# Altium PCB mb1260.PcbDoc (part 2 of 7)
Units mil, origin at the board's own origin, x right, y up, seen from the top; angles counter-clockwise.
Board outline 3189.01 x 3818.89 mil, 6 copper layers (TOP, L2_GND, L3_VCC, L4_SIG, L5_GND, BOTTOM), stack 62.2 mil thick; 308 components, 287 nets, 1220 pads, 851 vias.
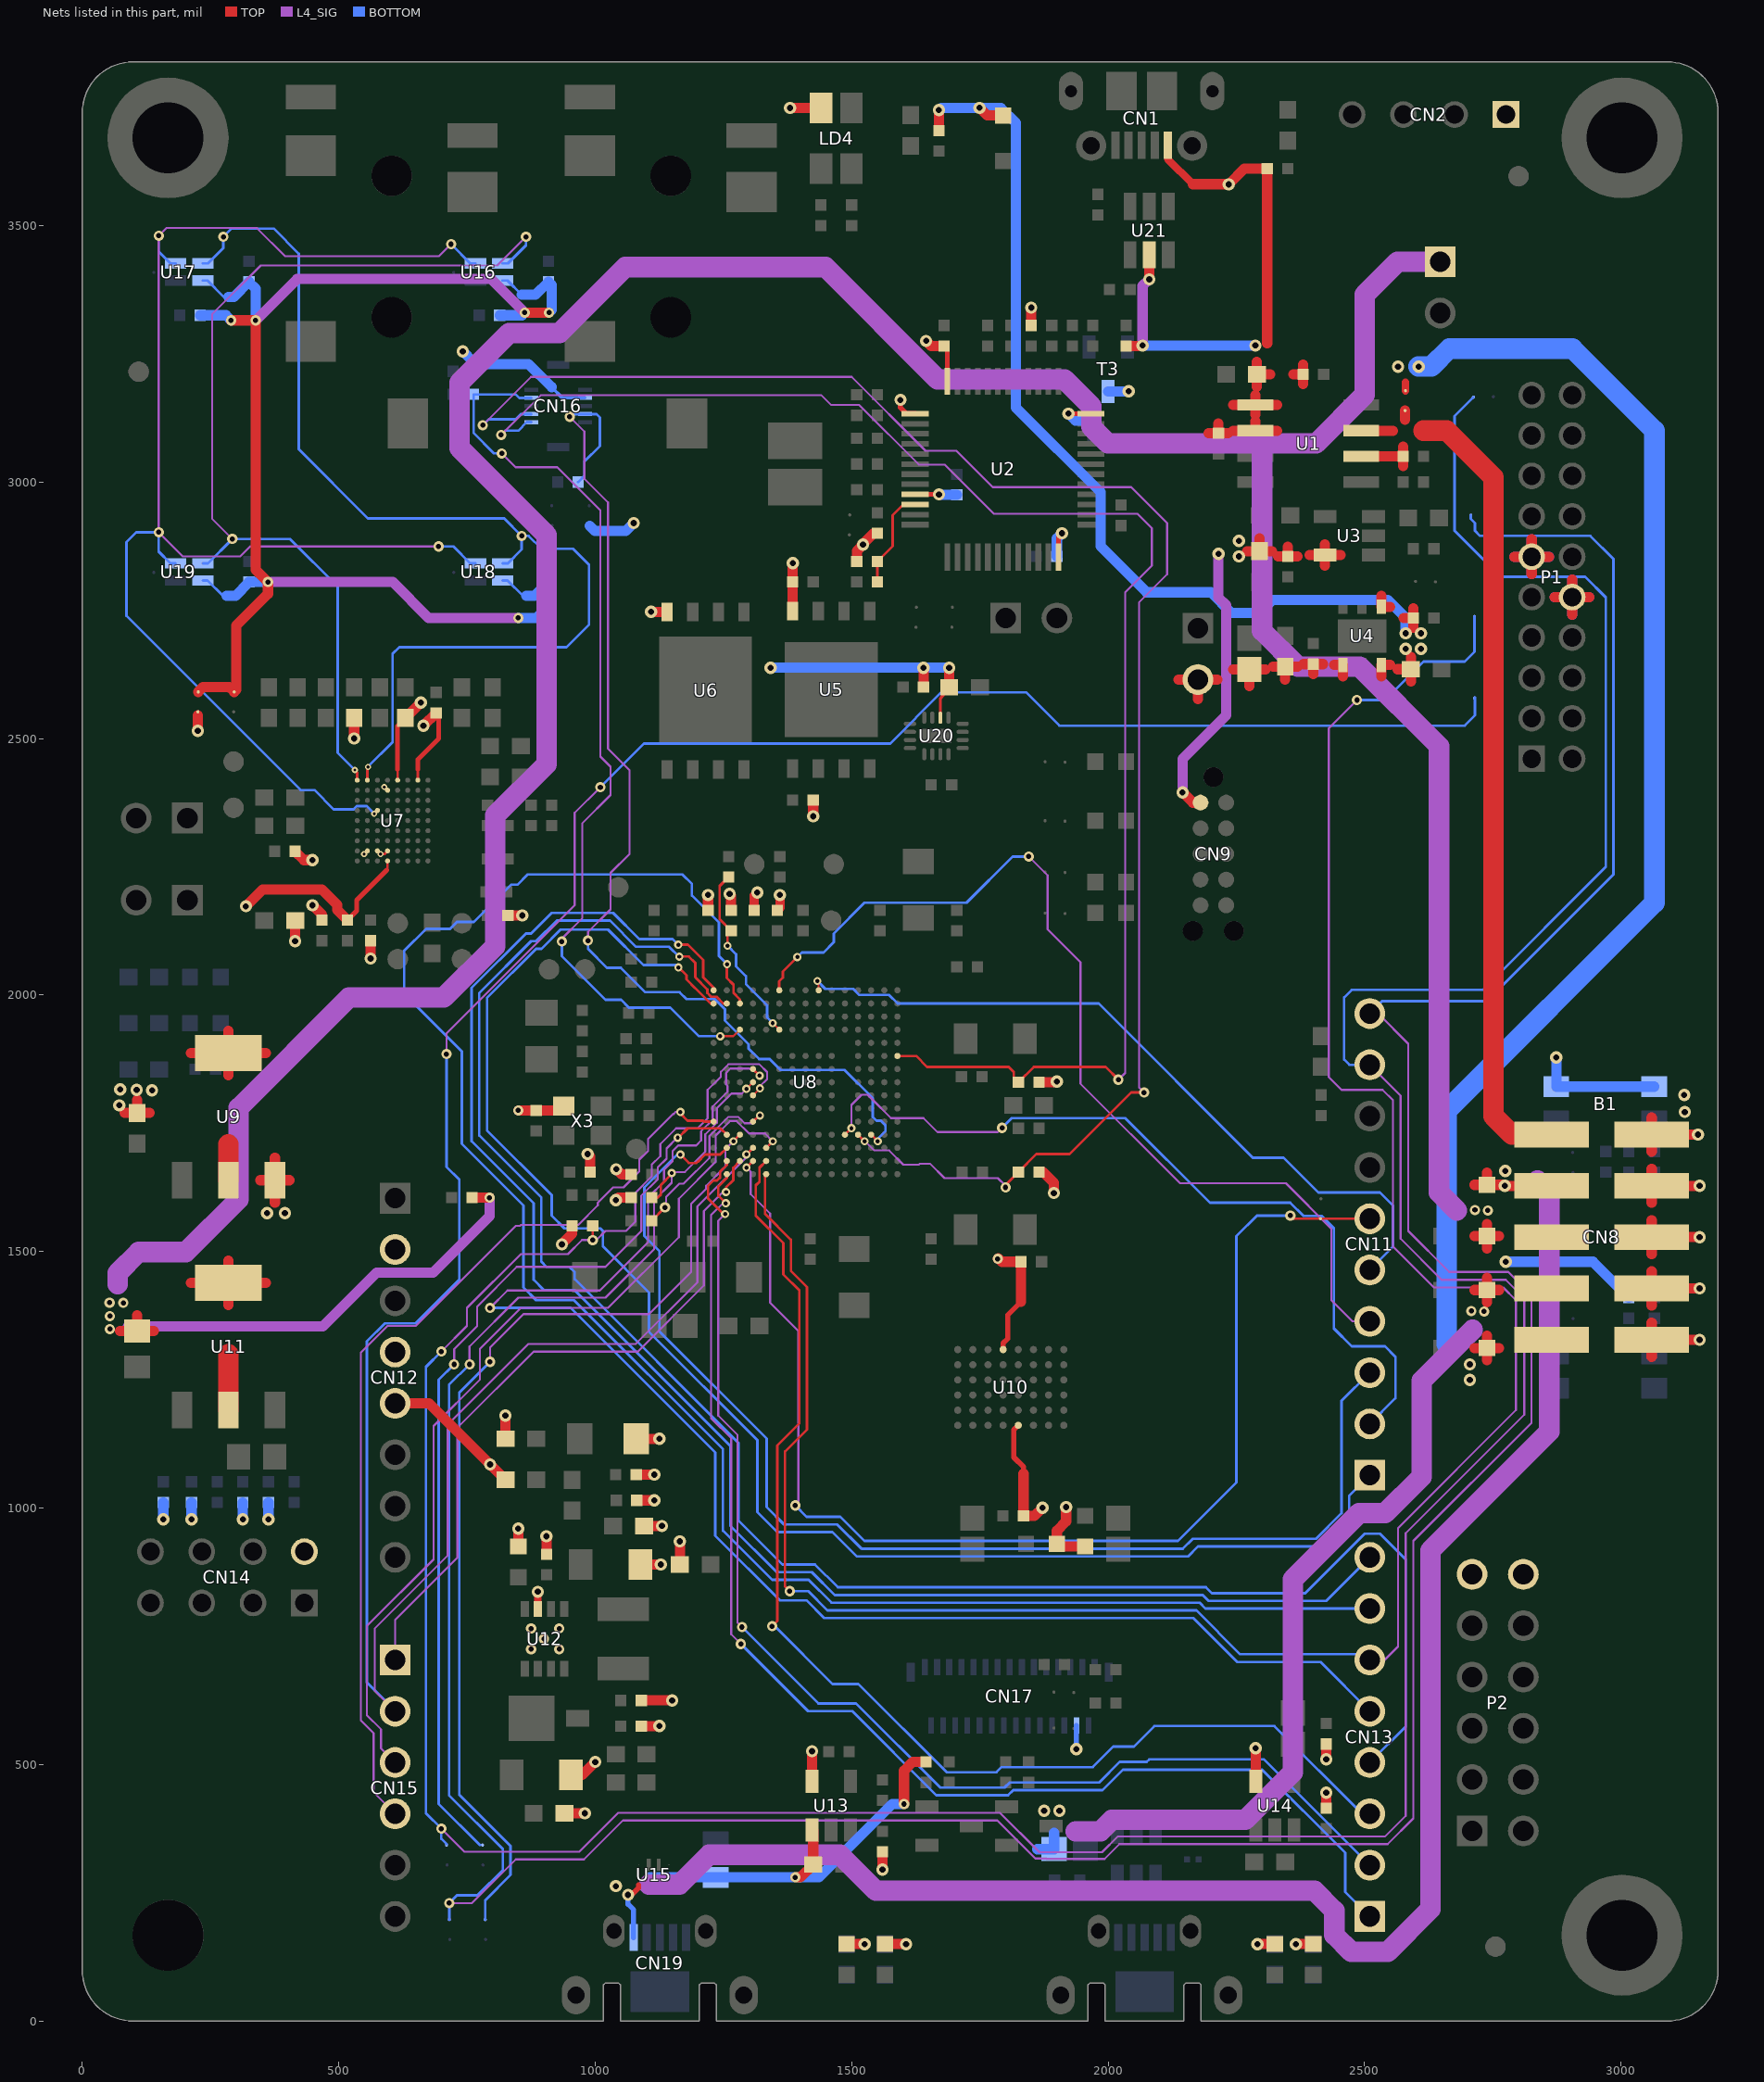
[diagram p6: the nets of this part, all layers, seen from the top]

## Footprints (in the part's own frame and the unit in brackets; to place one, negate y for a bottom-side part, rotate by r counter-clockwise, add the part's x,y. Pads: shape width x height; smd on the part's side, far side on the other; paste and mask are expansions set on the pad) (continued)
SQT-110-01-F-D-RA [mil] "SQT-110-01-F-D-RA"
  rect 52x52 hole 36: 1(-354.33,-39.37)
  round 52 hole 36: 2(-275.59,-39.37) 3(-196.85,-39.37) 4(-118.11,-39.37) 5(-39.37,-39.37) 6(39.37,-39.37) 7(118.11,-39.37) 8(196.85,-39.37) 9(275.59,-39.37) 10(354.33,-39.37) 11(-354.33,39.37) 12(-275.59,39.37) 13(-196.85,39.37) 14(-118.11,39.37) 15(-39.37,39.37) 16(39.37,39.37) 17(118.11,39.37) 18(196.85,39.37) 19(275.59,39.37) 20(354.33,39.37)
  silkscreen extent -400,-51 400,339, body extent -398,-69 407,341, height 150
SSW-106-02-F-D-RA [mil] "SSW-106-02-F-D-RA"
  rect 60x60 hole 40: 1(0,0)
  round 60 hole 40: 2(100,0) 3(200,0) 4(300,0) 5(400,0) 6(500,0) 7(0,100) 8(100,100) 9(200,100) 10(300,100) 11(400,100) 12(500,100)
  silkscreen extent -70,-13 560,495, body extent -60,-35 560,494, height 150
TACT_4SM_3R5X5R5 [mil] "TACT_4SM_3R5X5R5"
  rect 40x50 smd: 1(-33.46,95.47) 2(33.46,95.47) 3(-33.46,-95.47) 4(33.46,-95.47)
  silkscreen extent -69,-93 69,156, body extent -70,-125 70,125, height 150
TAN-A [mil] "TAN-A"
  rect 50x60 smd: 1(55,0) 2(-55,0)
  silkscreen extent -95,-45 110,45
TC2050-IDC-NL [mil] "TC2050-IDC-NL"
  round 31 smd paste-50: 1(-100,-25) 2(-50,-25) 3(0,-25) 4(50,-25) 5(100,-25) 6(100,25) 7(50,25) 8(0,25) 9(-50,25) 10(-100,25)
  round 39 hole 39: " "(-150,0) " "(150,-39.96) " "(150,39.96)
  TOP pour cut-out: -100,22.4 -100,-10.6 -89.5,-21.1 -15,-21.1 -6.9,-13 5.2,-13 13.3,-21.1 87.4,-21.1 100,-8.5 100,22.4 -100,22.4
  Keep-Out Layer circle w1: c-150,0 r35.43
  Keep-Out Layer circle w1: c150,39.96 r35.43
  Keep-Out Layer circle w1: c150,-39.96 r35.43
  silkscreen extent -245,-133 245,133, body extent -245,-133 245,133, height 150
TP_C40 [mil] "TP_C40"
  round 40 smd paste-50: 1(0,0)
  silkscreen extent -29,-29 29,29, body extent -31,-31 31,31, height 150
TSM-105-01-S-DV [mil] "TSM-105-01-S-DV"
  rect 50x145 smd: 1(-200,-97.44) 2(-200,97.44) 3(-100,-97.44) 4(-100,97.44) 5(0,-97.44) 6(0,97.44) 7(100,-97.44) 8(100,97.44) 9(200,-97.44) 10(200,97.44)
  silkscreen extent -250,-211 250,100, body extent -250,-175 250,175, height 150
XTAL_2SM_3R2X1R5 [mil] "XTAL_2SM_3R2X1R5"
  rect 51x63 smd: 1(-45.28,0) 2(45.28,0)
  silkscreen extent -85,-45 85,45, body extent -71,-30 72,32, height 150
XTAL_2SM_3R2X2R5_H1 [mil] "XTAL_2SM_3R2X2R5_H1"
  rect 71x106 smd: 1(-45.28,0) 2(45.28,0)
  silkscreen extent -95,-65 95,65, body extent -84,-56 84,56, height 150

## Part data
B1 B2: "EVQP2 - 4.7mm x 3.5 mm SMD Light Touch Switch"
C1 C2 C5 C7 C10 C12 C13 C14 C16 C23 C30 C32 C33 C36 C37 C38 C39 C40 C41 C42 C44 C45 C46 C47 C52 C53 C55 C56 C59 C60 C61 C62 C63 C69 C70 C71 C79 C80 C81 C82 C83 C84 C85 C86 C87 C93: library part Cap_100nF_X7R_10%_0402, "Capacitor,100nF,16V,X7R,10%,0402,YAGEO"
C3 C9 C11 C15 C17 C18 C24 C27 C35 C43 C50 C92: library part Cap_1uF_X5R_10%_0603, "Capacitor,1uF,16V,X5R,10%,0603,YAGEO"
C4 C6: library part Cap_10pF_NPO_5%_0402, "Capacitor,10pF,50V,NPO,5%,0402,YAGEO"
C8 C72 C76: library part Cap_10nF_X7R_10%_0603, "Capacitor,10nF,50V,X7R,10%,0603,YAGEO"
C19 C20 C21 C22 C29 C31 C77 C78: library part Cap_4.7uF_X5R_10%_0603, "Capacitor,4.7uF,16V, X5R,10%,0603,YAGEO"
C25 C26 C28 C54: library part Cap_2.2uF_X5R_10%_0603, "Capacitor,2.2uF,10V, X5R,10%,0603,YAGEO"
C34 C66: library part Cap_4.7uF_POL_10%_TANA, "Polarized Capacitor,4.7uF,16V,10%,typeA,AVX"
C48 C51: library part Cap_4.7pF_NPO_-+0.25pF_0402, "Capacitor, 4.7pF, 50V, NPO, -+0.25pF, 0402, YAGEO"
C49 C58: library part Cap_2.2uF_X7R_10%_1206, "Capacitor,2.2uF,16V, X7R,10%,1206,YAGEO"
C57: library part Cap_10uF_X5R_10%_0603, "Capacitor,10uF,6.3V,X5R,10%,0603,YAGEO"
C64 C65: library part Cap_1uF_POL_10%_TANA, "Polarized Capacitor,1uF,16V,10%,typeA,AVX"
C67: library part Cap_10uF_POL_10%_TANA, "Polarized Capacitor,10uF,10V,10%,typeA,VISHAY"
C68 C74: library part Cap_10uF_X5R_10%_0805, "Capacitor,10uF,25V,X5R,10%,0805,YAGEO"
C73 C75: library part Cap_4.7uF_X7R_10%_1206, "Capacitor,4.7uF,50V, X7R,10%,1206,AVX"
CN1: "USB-MICRO-B, 1050170001, SMT, MOLEX"
CN2: "Header, 4-Pin"
CN3: library part JP2_RA, "Header, 2-Pins, Single row, Right Angle, 2.54 mm pitch, DIP"
CN4: "Connector Jack Stereo 3.5mm, female SMT, Blue (Line input)"
CN5: "Connector Jack Stereo 3.5mm, female SMT, Green (Line output)"
CN8: library part "Header 5X2M TSM", "Header Male TSM, 5-Pin, Dual row, Straight, AMD"
CN9: library part Tag-10-C, "Tag_Connector Header, 10-Pin, Dual row No legs"
CN11: library part "Header 10X1_Female_THT", "Header, 10-Pin, Single row, female, THT, 2.54"
CN12 CN13: library part "Header 8X1_Female_THT", "Header, 8-Pins, Single row, female, THT, 2.54"
CN14: library part "Header 4X2F", "Header Female, 4-Pin, Dual row, Straight"
CN15: library part "Header 6X1_Female_THT", "Header, 6-Pins, Single row, female THT, 2.54"
CN16: library part "Header 5X2A", "Header, 5-Pin, Dual row", Manuf_1=Hirose, ECCN_US/EU=n/a, Fitted=YES, LatestRevisionDate=17-Jul-2002, LatestRevisionNote="Re-released for DXP Platform.", Manuf_Part_1=DF37NB-10DS-0.4V(51), Ordered by=Subcon, Publisher="Altium Limited"
CN17: library part FH26-29S-0.3SHW, "29pins FPC connector", Manuf_1=Hirose, ECCN_US/EU=n/a, Fitted=YES, Manuf_Part_1=FH26W-29S-0.3SHW(60), Ordered by=Subcon
CN18 CN19: "USB-MICRO-AB, 47590-0001, SMT, MOLEX"
L1 L2 L3 L4 L5 L7 L8: library part BEAD_600R_350MA_0603, "Bead,600R,350mA,0603,FCM1608KF-601T03,Tai-tech"
L6: library part Ind_4.7uH_1A_30%, "FIXED IND 4.7UH 1A 180 MOHM 30% SMD"
LD1: library part LED_blue, "LED blue 0603"
LD2 LD3 LD5 LD7 LD10: library part LED_red, "LED red 0603"
LD4: "Bicolor Led"
LD6 LD8 LD9: library part LED_green, "LED green 0603"
P1: library part "Header 10X2 TH RA 2mm", "20 Position Receptacle Connector 0.079\" (2.00mm) Through Hole Right Angle"
P2: library part "Header 6X2 TH RA 2.54mm", "12 Position Receptacle Connector 0.100\" (2.54mm) Through Hole Right Angle"
R1 R2 R58 R92 R97: library part Res_1K_1%_0402, "Resistor,1K,0402,1%,YAGEO"
R3 R9 R15 R18 R21 R24 R67 R68 R69 R70 R71 R75: library part Res_100K_1%_0402, "Resistor,100K,0402,1%,YAGEO"
R4 R42 R44 R52 R56 R59 R60: library part Res_2K7_1%_0402, "Resistor,2K7,0402,1%,YAGEO"
R5 R35 R39 R49 R50 R53 R78 R101: library part Res_0_5%_0402, "Resistor,0,0402,5%,YAGEO"
R6 R25 R26: library part Res_4K7_1%_0402, "Resistor,4K7,0402,1%,YAGEO"
R7 R23 R51: library part Res_100_1%_0402, "Resistor,100,0402,1%,YAGEO"
R8: library part Res_36K_1%_0402, "Resistor,36K,0402,1%,YAGEO"
R10: library part Res_1K5_1%_0402, "Resistor,1K5,0402,1%,YAGEO"
R11 R17 R19 R20 R29 R30 R36 R37 R41 R43 R45 R46 R55 R57 R61 R76 R85 R86 R89 R90 R91 R93 R94 R95 R96 R102: library part Res_10K_1%_0402, "Resistor,10K,0402,1%,YAGEO"
R12: library part Res_680_1%_0402, "Resistor,680,0402,1%,YAGEO"
R13 R14: library part Res_330_1%_0402, "Resistor,330,0402,1%,YAGEO"
R16 R73 R74 R77 R79: library part Res_47K_1%_0402, "Resistor,47K,0402,1%,YAGEO"
R22: library part Res_2K2_1%_0402, "Resistor,2K2,0402,1%,YAGEO"
R27 R62 R64 R65 R72 R99: library part Res_0_5%_0603, "Resistor,0,0603,5%,YAGEO"
R28 R32 R38 R40: library part Res_22_1%_0603, "Resistor,22R,0603,1%,Yageo"
R31 R33: library part Res_20_1%_0402, "Resistor,20,0402,1%,YAGEO"
R47: library part Res_1K_1%_0603, "Resistor,1K,0603,1%,YAGEO"
R48: library part Res_510_1%_0603, "Resistor,510,0603,1%,YAGEO"
R54: library part Res_3K_1%_0402, "Resistor 3K 0402 1% YAGEO"
R63 R100: library part Res_10K_1%_0603, "Resistor,10K,0603,1%,YAGEO"
R66: library part Res_10_1%_0603, "Resistor,10,0603,1%,ROHM,1/4W"
R80: library part Res_3K3_1%_0402, "Resistor,3K3,0402,1%,YAGEO"
R81 R84: library part Res_620_1%_0603, "Resistor,620,0603,1%,VISHAY"
R82 R83: library part Res_330_1%_0603, "Resistor,330,0603,1%,YAGEO"
R98: library part Res_0_5%_0805, "Resistor,0,0805,5%,YAGEO"
SB1 SB4 SB7 SB8 SB9 SB10 SB11 SB12 SB13 SB14 SB15 SB25 SB27 SB28 SB29 SB33 SB34 SB35 SB37: library part SB_ON
SB2 SB3 SB5 SB6 SB16 SB36 SB38: library part SB_OFF
T1 T2 T3: "NPN Bipolar Transistor"
TP1 TP2 TP3 TP4 TP5 TP6 TP7 TP8 TP11 TP12 TP13 TP14 TP15: "Test Point"
U1: "1.2 A current limited high-side power switch with thermal shutdown"
U2: "Medium-density performance line ARM-based 32-bit MCU with 128KB Flash"
U3: "Ultra low drop-low noise BiCMOS voltage, regulators low ESR capacitors compatible"
U4: library part LD39050P, "Ultra low drop-low , 500 mA low quiescent current"
U5: library part MX25L51245G, "512Mb, 3V, Multiple I/O Serial Flash Memory, Quad/Dual"
U6: library part N25Q512A13GF840E, "512Mb, 3V, Multiple I/O Serial Flash Memory, Quad/Dual", Manuf_1=MICRON, Distrib=MICRON, Fitted=NO, Manuf_Part_1=MT25QL512ABB1EW9-0SIT, Ordered by=ST, Provided=ST
U7: "Multi-Channel Audio Hub CODEC for Smartphones"
U8: "STM32F723IEK  (STM32F7 LittleBirdie) BGA176"
U9: "LOW DROP FIXED AND ADJUSTABLE POSITIVE VOLTAGE REGULATORS (1.8 Volts)"
U10: "IC SRAM 8MBIT 55NS 48MINIBGA 6mm x 8mm"
U11: "IC REG LDO 5V 0.8A SOT223"
U12: library part STLD40DPMR, "White LED power supply for large display backlight"
U13 U14: "Enhanced single channel power switches"
U15: "Common mode filter with ESD protection for USB 2.0 interface"
U16 U17 U18 U19: library part MP34DT01, "MEMS audio sensor, omnidirectional digital microphone", Manuf_1=STM, Distrib=ST, Fitted=YES, Manuf_Part_1=IMP34DT05TR, Order=IMP34DT05TR, Ordered by=ST, Provided=ST
U20: "Low voltage high bandwidth quad SPDT switch"
U21 U22: "Very low capacitance ESD protection"
U23: "Dual Transil array for ESD protection"
U24: library part MCD-00251, "High power transient voltage suppressor, 7V breakdown"
X1: library part XTAL_8M_NX3225GD, "Crystal 8Mhz, 8pF, -+50PPM, SMD"
X2: library part XTAL_32K_NX3215SA, "Crystal 32.768kHz, 6pF, -+20PPM, R=50K, SMD"
X3: library part OSC_25M_NZ2520SB, "Oscillator 25.00Mhz, -+50PPM, 3.3V, Temp -55 to +125°C", Manuf_1=NDK, Manuf_Part_1=NZ2520SH-25MHZ-END4869C, Fitted=YES, Ordered by=ST, Provided=ST
Z1: library part "D Schottky", "Schottky Diode"

## Free pads (board coordinates)
  round 40 smd far side mask+40: 1(110,3215) 1(2755,145) 1(2800,3596)
  round 40 smd mask+40: ""(110,3215) ""(2755,145) ""(2800,3596)
  round 138 hole 138 unplated: ""(167.34,167.33)

## Via types
v1: diameter 24, hole 12, TOP to BOTTOM, tented both sides, 389 vias
v2: diameter 20, hole 10, TOP to BOTTOM, tented both sides, 231 vias
v3: diameter 16, hole 8, TOP to BOTTOM, tented both sides, 196 vias
v4: diameter 12, hole 6, TOP to BOTTOM, tented both sides, 35 vias

## Nets (pads, with @x,y where several pads share a name; then routed paths per layer and width w, separated by ;. In a path a pad name is that pad's centre, name@x,y a point inside that pad or via, vN(x,y) a via of type N, cw(c..) or ccw(c..) an arc to the next point about the centre after c; other vN are vias at no path point)
1V8: C20.1 C23.1 C42.1 C57.2 U7.D1 U7.D8 U7.G9 U9.2 U9.4 | length 1001.1
  TOP w5: v4(588.86,2405.36) U7.D8@595.16,2399.06 ; 593.66,2243.59 595.16,2245.09 U7.D1@595.16,2261.26 ; U7.G9@654.21,2418.74 654.21,2439.71
  TOP w9: C42.1@517,2146 535,2164 535,2184.93 593.66,2243.59 ; 654.21,2439.71 654.21,2459.21 695,2500 695,2545 C23.1@690,2550
  TOP w20: 82.78,1770 C57.2@106.8,1770 ; 106.8,1795.52 C57.2@106.8,1770 ; 130.82,1770 C57.2@106.8,1770 ; 211.98,1887.02 U9.4@285,1887.02 ; 285,1843.5 U9.4@285,1887.02 ; 285,1930.54 U9.4@285,1887.02 ; v1(319,2173) 352,2206 467,2206 497,2176 497,2165.99 C42.1@517,2146 ; 358.02,1887.02 U9.4@285,1887.02 ; v1(530,2500) C20.1@530,2540 ; v1(665,2525) C23.1@690,2550
  TOP w40: U9.2@285,1638.98 285,1708.98
  other v1: 72,1785 136,1814 106,1815 74,1816
3V3: B1.1 B1.3 C2.1 C13.2 C15.2 C16.2 C22.1 C33.1 C35.2 C41.1 C55.2 C63.2 C71.2 C92.1 CN12.2 CN12.4 CN14.2 CN16.9 CN17.26 JP1.2 L2.1 P2.6 P2.12 R27.2 R30.2 R41.1 R42.1 R43.1 R44.1 R45.1 R46.2 R52.1 R55.1 R56.2 R57.2 R59.2 R60.2 R63.2 R71.1 R73.2 R79.2 R80.1 R81.1 R82.2 R83.2 R84.2 R91.2 R93.1 R94.1 R95.1 R96.1 R100.2 R102.2 SB1.1 SB4.2 U4.4 U5.8 U6.8 U7.B2 U7.C2 U7.D2 U7.E9 U9.3 U10.D6 U10.E1 U20.2 X3.4 | length 4058
  TOP w5: v4(549.49,2274.64) U7.B2@555.79,2280.94 ; U7.C2@575.47,2280.94 v4(581.77,2274.64) 588.86,2274.64 U7.D2@595.16,2280.94 ; U7.E9@614.84,2418.74 614.84,2439.71
  TOP w6: U20.2@1672.87,2540.62 1672.87,2577.87 C92.1@1690,2600
  TOP w9: 614.84,2439.71 614.84,2524.84 C22.1@630,2540
  TOP w10: U10.E1@1795.24,1308.82 1795.24,1321.24 1804,1330 1804,1376 1830,1402 ; U10.D6@1824.76,1161.18 1816,1152.42 1816,1099 1835,1080 1835,1067
  TOP w18: R44.1@1310,2165 1310,2194 v1(1316,2200) ; R45.1@1355,2165 1360,2170 v1(1360,2195)
  TOP w20: 225,2545 225.33,2544.67 v1(225.33,2515) ; 347.53,1638.98 U9.3@375.55,1638.98 ; 375.55,1595.46 U9.3@375.55,1638.98 ; 375.55,1682.5 U9.3@375.55,1638.98 ; 403.57,1638.98 U9.3@375.55,1638.98 ; v1(415,2105) C35.2@415,2145 ; C33.1@415,2280 432,2263 v1(449,2263) ; v1(449,2175) 467,2157 C41.1@467,2146 ; v1(562,2071) R46.2@562,2106 ; C22.1@630,2540 v1(660,2570) ; L2.1@825,1135 v1(825,1180) ; R41.1@830,2155 v1(858,2155) ; v2(850,1775) C55.2@885,1775 930.04,1775 X3.4@938.58,1783.54 ; v1(935,1514) 935,1515 955,1535 R59.2@955,1550 ; v1(985,1690) 990,1685 R55.1@990,1655 ; v1(1040,1600) 1045,1605 R60.2@1070,1605 ; v1(1040.88,1660.37) 1051.25,1650 R57.2@1070,1650 ; R71.1@1090,575 v1(1125,575) ; v1(1108.84,2746.84) U6.8@1140,2746.84 ; R42.1@1220,2165 v1(1220,2195) ; v1(1262,2197) 1265,2194 R43.1@1265,2165 ; U5.8@1385,2748.54 C13.2@1385,2805 v1(1385,2842) ; v1(1425,2348.46) R30.2@1425,2380 ; R81.1@1490,150 v1(1525,150) ; v1(1560,295) R80.1@1560,330 ; R82.2@1565,150 v1(1606,150) ; R102.2@1640,2600 v1(1640,2638) ; C92.1@1690,2600 v1(1690,2638) ; v2(1784.68,1485.68) 1786,1485.68 1786,1487 1793,1480 C63.2@1830,1480 1830,1402 ; 1835,1067 C71.2@1835,985 1856.5,985 v1(1872,1000.5) ; R56.2@1865,1655 1873,1655 1894,1634 v1(1894,1614) ; R52.1@1865,1830 1898.52,1830 v1(1900,1831.48) ; v1(1918,1002) 1918,974 1900,956 R100.2@1900,930 1905,925 R63.2@1955,925 ; 2136.98,2615 JP1.2@2175,2615 ; 2175,2576.98 JP1.2@2175,2615 ; 2213.02,2615 JP1.2@2175,2615 ; 2243.48,2634.49 R27.2@2275,2634.49 ; 2275,2601.97 R27.2@2275,2634.49 ; v1(2291,150) R83.2@2325,150 ; 2306.52,2634.49 R27.2@2275,2634.49 ; 2320.98,2640 C15.2@2345,2640 ; 2345,2614.48 C15.2@2345,2640 ; v1(2366,150) R84.2@2400,150 ; 2369.02,2640 C15.2@2345,2640 ; 2380.98,2645 C16.2@2400,2645 ; 2400,2625.98 C16.2@2400,2645 ; 2419.02,2645 C16.2@2400,2645 ; R79.2@2425,415 v1(2425,445) ; v1(2425,510) R73.2@2425,540 ; 2440.58,2643.48 U4.4@2457.6,2643.48 2457.6,2621.46
  BOTTOM w6.5: 915,3185 936.09,3163.91 CN16.9@979.91,3163.91
  BOTTOM w10: v1(1938.07,530) CN17.26@1938.07,575.91
  BOTTOM w20: v1(158,978) R96.1@158,1011 ; v1(213,978) R93.1@213,1011 ; v1(313,978) R95.1@313,1011 ; v1(363,978) R94.1@363,1011 ; v1(741.84,3254.76) 762.84,3233.76 C2.1@762.84,3215.76 767.84,3215.76 781.84,3229.76 870.24,3229.76 915,3185 ; SB4.2@989.03,2914.93 991.86,2912.1 998.96,2905 1060,2905 v1(1075,2920) ; v1(1342,2638) v1(1640,2638) v1(1690,2638) ; v1(2775,1480) 2945,1480 R91.2@3015,1410 ; v1(2873.53,1878.53) B1.1@2873.53,1821.46 B1.3@3064.47,1821.46
  other v1: 360,1575 395,1575
3V3_ST_LINK: C1.1 C11.2 C12.2 C81.2 C82.2 C83.2 CN2.1 CN9.1 LD4.4 R5.2 R24.2 R25.1 T3.3 U2.1 U2.9 U2.24 U2.36 U2.48 U3.5 | length 1428.8
  TOP w9: U2.9@1623.74,2975.79 v1(1670.21,2975.79) ; C1.1@1680,3265 1686.73,3258.27 U2.48@1686.73,3196.26 ; U2.24@1903.27,2853.74 1903.27,2893.27 v1(1910,2900) ; v1(1922.76,3133.27) U2.36@1966.26,3133.27
  TOP w10: v1(1595,3160) 1595,3145 1606.73,3133.27 U2.1@1623.74,3133.27
  TOP w20: v1(1380,3729.06) LD4.4@1440.47,3729.06 ; R25.1@1510,2845 1510,2866 v1(1522,2878) 1522,2879 1543,2900 R24.2@1550,2900 ; v1(1645,3275) 1655,3265 C1.1@1680,3265 ; R5.2@1850,3305 v1(1850,3340) ; v1(2145,2395) 2165,2375 CN9.1@2180,2375 ; 2270.98,2865 C11.2@2295,2865 ; 2295,2890.52 C11.2@2295,2865 ; 2319.02,2865 C11.2@2295,2865 ; 2330.98,2855 C12.2@2350,2855 ; 2350,2874.02 C12.2@2350,2855 ; 2369.02,2855 C12.2@2350,2855 ; 2392.24,2857.6 U3.5@2422.76,2857.6 ; 2422.76,2837.08 U3.5@2422.76,2857.6 ; 2422.76,2878.12 U3.5@2422.76,2857.6 ; 2453.28,2857.6 U3.5@2422.76,2857.6
  L4_SIG w20: v1(2145,2395) 2145,2460 2230,2545 2230,2760 2215,2775 v1(2215,2860)
  BOTTOM w20: v1(1670.21,2975.79) 1671,2975 C82.2@1705,2975 ; C83.2@1900,2855 1900,2890 v1(1910,2900) ; v1(1922.76,3133.27) 1936.03,3120 C81.2@1970,3120 ; T3.3@2000,3176.69 v1(2040,3176.69)
  other v1: 2255,2855 2255,2885
5V: C14.2 C17.2 CN8.2 CN8.4 CN8.6 CN8.8 CN8.10 CN12.5 D1.1 L3.1 P1.6 P1.15 R1.1 U4.1 U4.6 U13.5 U14.5 | length 3801.3
  TOP w20: CN12.5@609.84,1203.94 676.06,1203.94 v1(795,1085) L3.1@825,1055 ; U13.5@1422.6,467.24 v1(1422.6,526) ; R1.1@1670,3685 v1(1670,3725) ; v1(1749.29,3729.29) 1764.29,3714.29 D1.1@1795,3714.29 ; U14.5@2287.6,467.24 v1(2287.6,532) ; 2532.4,2621.46 U4.6@2532.4,2643.48 2549.42,2643.48 ; 2532.4,2778.54 U4.1@2532.4,2756.52 2549.42,2756.52 ; 2564.48,2635 C17.2@2590,2635 ; 2575.98,2735 C14.2@2595,2735 ; 2590,2610.98 C17.2@2590,2635 ; 2590,2659.02 C17.2@2590,2635 ; 2595,2715.98 C14.2@2595,2735 ; 2595,2754.02 C14.2@2595,2735 ; 2791.61,2854.33 P1.6@2825.63,2854.33 ; 2825.63,2820.31 P1.6@2825.63,2854.33 ; 2825.63,2888.35 P1.6@2825.63,2854.33 ; 2859.65,2854.33 P1.6@2825.63,2854.33 ; 2870.35,2775.59 P1.15@2904.37,2775.59 ; 2904.37,2741.57 P1.15@2904.37,2775.59 ; 2904.37,2809.61 P1.15@2904.37,2775.59 ; 2938.39,2775.59 P1.15@2904.37,2775.59 ; 3059.44,1294.98 CN8.10@3059.44,1328 ; 3059.44,1361.02 CN8.10@3059.44,1328 ; 3059.44,1394.98 CN8.8@3059.44,1428 ; 3059.44,1461.02 CN8.8@3059.44,1428 ; 3059.44,1494.98 CN8.6@3059.44,1528 ; 3059.44,1561.02 CN8.6@3059.44,1528 ; 3059.44,1594.98 CN8.4@3059.44,1628 ; 3059.44,1661.02 CN8.4@3059.44,1628 ; 3059.44,1694.98 CN8.2@3059.44,1728 ; 3059.44,1761.02 CN8.2@3059.44,1728 ; v1(3150,1728) CN8.2@3059.44,1728 ; v1(3153,1328) CN8.10@3059.44,1328 ; v1(3153,1428) CN8.8@3059.44,1428 ; v1(3153,1528) CN8.6@3059.44,1528 ; v1(3153,1628) CN8.4@3059.44,1628
  L4_SIG w20: 2791.61,2854.33 P1.6@2825.63,2854.33 ; 2825.63,2820.31 P1.6@2825.63,2854.33 ; 2825.63,2888.35 P1.6@2825.63,2854.33 ; 2859.65,2854.33 P1.6@2825.63,2854.33 ; 2870.35,2775.59 P1.15@2904.37,2775.59 ; 2904.37,2741.57 P1.15@2904.37,2775.59 ; 2904.37,2809.61 P1.15@2904.37,2775.59 ; 2938.39,2775.59 P1.15@2904.37,2775.59
  BOTTOM w20: v1(1670,3725) 1674.29,3729.29 v1(1749.29,3729.29) 1790.71,3729.29 1820,3700 1820,3145 1985,2980 1985,2875 2075,2785 2200,2785 2240,2745 2295,2745 2320,2770 2545,2770 2580,2735 v1(2580,2705)
  other v1: 3124,1772 3123,1805 2580,2675 2610,2675 2610,2705
5V_ST_LINK: C5.2 CN8.1 SB3.2 U1.6 U1.7 | length 1746.6
  TOP w20: U1.6@2493.3,3050 C5.2@2575,3050 ; U1.7@2493.3,3100 2555,3100 ; 2575,3030.98 C5.2@2575,3050 ; 2575,3069.02 C5.2@2575,3050 ; 2578.81,3121.19 SB3.2@2578.81,3139.17
  TOP w40: 2615,3100 2660,3100 2751,3009 2751,1764 2787,1728 CN8.1@2864.56,1728
5V_USB_FS: CN8.7 D3.1 R99.2 | length 1668.1
  TOP w20: 2714.27,1425 D3.1@2738.29,1425 ; 2738.29,1400.98 D3.1@2738.29,1425 ; 2738.29,1449.02 D3.1@2738.29,1425 ; 2762.31,1425 D3.1@2738.29,1425
  L4_SIG w40: 1937,370 1985,370 2007,392 2267,392 2360,485 2360,861 2489,990 2540,990 2611,1061 2611,1248.06 2710.28,1347.34
  BOTTOM w20: 1861.97,335 R99.2@1894.49,335 1894.49,366.52
  other v1: 1875,410 1905,410
  other v2: 2733,1383 2708,1384
5V_USB_HS: C78.1 CN8.3 CN19.1 D5.1 R74.2 R98.2 U13.1 U15.1 | length 4292.9
  TOP w10: v1(1064,246) 1071,246 1084.47,259.47 U15.1@1084.47,265.31
  TOP w20: v2(1390,280) 1400,280 C78.1@1425,305 1425,370.36 U13.1@1422.6,372.76 ; v2(1602,423) 1602,488 1619,505 R74.2@1645,505 ; 2714.27,1630 D5.1@2738.29,1630 ; 2738.29,1654.02 D5.1@2738.29,1630 ; CN8.3@2864.56,1628 v1(2773,1628) 2771,1630 D5.1@2738.29,1630
  L4_SIG w40: 1105,266 1164,266 1222,324 1477,324 1547,254 1823.67,254 ; 1823.69,253.98 1896.31,253.98 ; 1896.33,254 2402,254 2441,215 2441,168 2474,135 2545,135 2628,218 2628,917 2860,1149 2860,1615 2837,1638
  BOTTOM w10: v1(1064,246) 1064,227.8 1074.8,217 CN19.1@1074.8,162.8
  BOTTOM w20: 1105,280 R98.2@1235,280 v2(1390,280) 1436,280 1579,423 v2(1602,423)
  other v1: 1040,263 2774,1657
5V_USB_ST_LINK: C3.2 CN1.1 CN8.9 D2.1 R2.2 R11.1 R15.2 R20.2 SB3.1 U1.1 U1.2 U21.5 | length 4054.2
  TOP w15: CN1.1@2116.53,3656.49 2116.53,3629.06 2165,3580.59 ; SB3.1@2579.67,3178.01 2579.67,3194.67
  TOP w20: R11.1@2035,3265 2066,3265 v1(2067,3266) ; v1(2080,3395) U21.5@2080,3442.76 ; 2165,3580.59 2234.41,3580.59 v1(2235,3580) 2265.59,3610.59 R2.2@2310,3610.59 2310,3270 ; 2195.98,3095 R20.2@2215,3095 ; 2215,3114.02 R20.2@2215,3095 ; 2234.02,3095 R20.2@2215,3095 ; 2243.68,3100 U1.2@2286.7,3100 ; 2243.68,3150 U1.1@2286.7,3150 ; 2286.7,3119.02 U1.2@2286.7,3100 ; 2286.7,3130.98 U1.1@2286.7,3150 ; 2286.7,3169.02 U1.1@2286.7,3150 ; 2290,3185.98 C3.2@2290,3210 ; 2290,3234.02 C3.2@2290,3210 ; 2315.52,3210 C3.2@2290,3210 ; 2329.72,3100 U1.2@2286.7,3100 ; 2329.72,3150 U1.1@2286.7,3150 ; 2360.98,3210 R15.2@2380,3210 ; 2380,3190.98 R15.2@2380,3210 ; 2380,3229.02 R15.2@2380,3210 ; 2714.27,1312 D2.1@2738.29,1312 ; 2738.29,1287.98 D2.1@2738.29,1312 ; 2738.29,1336.02 D2.1@2738.29,1312 ; 2762.31,1312 D2.1@2738.29,1312
  L4_SIG w20: v1(2067,3266) 2067,3382 v1(2080,3395)
  BOTTOM w20: v1(2067,3266) v1(2287,3266)
  BOTTOM w40: v1(2605,3225) 2630,3225 2665,3260 2905,3260 3065,3100 3065,2180 2660,1775 2660,1320 2665,1315
  other v1: 2705,1250 2705,1280 2565,3225
AIN_1: R25.2 R26.2 U2.10 | length 195.1
  TOP w5: R26.2@1550,2805 R25.2@1550,2845 1580,2875 1580,2935.29 1600.81,2956.1 U2.10@1623.74,2956.1
ARD_A0: CN15.1 U8.P3 | length 1373.5
  TOP w5: v3(1255,1616) 1255,1625 1268.96,1638.96 1268.96,1663.24 1282.05,1676.33 U8.P3@1282.05,1676.46
  L4_SIG w4: CN15.1@609.84,703.94 609.84,781.84 731.5,903.5 731.5,1156.5 880,1305 1083.23,1305 1212,1433.77 1212,1579 1249,1616 v3(1255,1616)
ARD_A1: CN15.2 SB28.2 U8.N4 | length 5462.6
  TOP w5: v3(1294.78,1689.32) 1294.91,1689.32 U8.N4@1307.64,1702.05
  L4_SIG w4: CN15.2@609.84,603.94 570,643.78 570,765 712.5,907.5 712.5,1162.5 870,1320 1079,1320 1199,1440 1199,1588 1294.78,1683.78 v3(1294.78,1689.32) ; v2(710,1885) 710,1925 960,2175 960,2355 v2(1010,2405)
  BOTTOM w5: CN15.2@609.84,603.94 609.84,605.16 555,660 555,1325 590,1360 650,1360 735,1445 735,1640 710,1665 v2(710,1885) ; v2(1010,2405) 1095,2490 1575,2490 1675,2590 1840,2590 1905,2525 2695,2525 2715,2545 SB28.2@2715,2580
ARD_A2: CN15.3 U8.N5 | length 1783.5
  TOP w5: U8.N5@1333.23,1702.05 1345.96,1714.78 v3(1346.09,1714.78)
  L4_SIG w4: CN15.3@609.84,503.94 582.39,531.39 582.39,568.61 555,596 555,770 685,900 685,1160 775,1250 775,1310 855,1390 1025,1390 1163,1528 1163,1602.94 1235,1674.94 1235,1725.98 1263.47,1754.45 1275.3,1754.45 1299.75,1730 1330.87,1730 v3(1346.09,1714.78)
ARD_A3: CN15.4 U8.L1 | length 1848.5
  TOP w5: v3(1166,1772) 1166,1769.01 1179.87,1755.14 1210.09,1755.14 1212,1753.23 U8.L1@1230.87,1753.23
  L4_SIG w4: CN15.4@609.84,403.94 568,445.78 568,561 543,586 543,1303 595,1355 650,1355 845,1550 853.02,1550 855.02,1552 967,1552 1005,1590 1005,1595 1035,1625 1055.08,1625 1086.03,1655.95 1086.03,1679.11 1103,1696.08 1103,1719.25 1151.75,1768 1153,1768 1157,1772 v3(1166,1772)
ARD_A4: SB35.1 U8.M2 | length 1815.4
  TOP w5: v3(1160.8,1721.87) 1161.87,1721.87 1180.14,1740.14 1243.96,1740.14 U8.M2@1256.46,1727.64
  L4_SIG w4: v2(725,1280) 725,1310 770,1355 770,1393.02 846.98,1470 1020,1470 1090,1540 1090,1608.98 1122.03,1641.01 1122.03,1664.17 1139,1681.14 1139,1700.98 1159.89,1721.87 v3(1160.8,1721.87)
  BOTTOM w5: v2(725,1280) 695,1250 695,423.34 775.33,343.01
ARD_A5: SB37.1 U8.M3 | length 1961.8
  TOP w5: v3(1269.27,1714.86) U8.M3@1282.05,1727.64
  L4_SIG w4: v2(795,1285) 795,1313.02 859.98,1378 1105,1378 1187,1460 1187,1592.98 1216.44,1622.42 1216.44,1628.08 1254,1665.64 1254,1699.59 v3(1269.27,1714.86)
  BOTTOM w5: SB37.1@785.53,197.87 785.53,235.53 835,285 835,341.22 735,441.22 735,1225 v2(795,1285)
ARD_D0: CN13.1 U8.R2 | length 2499.6
  TOP w5: v3(1254.45,1594) 1240,1608.45 1240,1627.04 1256.46,1643.5 U8.R2@1256.46,1650.87
  L4_SIG w4: v3(1254.45,1594) 1249,1594 1226,1571 1226,1175 1265.1,1135.9 1265.1,753.9 v2(1284,735)
  BOTTOM w5: v2(1284,735) 1415,604 1501,604 1665,440 1805,440 1815,450 1988.66,450 2028.66,490 2300,490 2462,328 2462,251.78 CN13.1@2509.84,203.94
ARD_D1: CN13.2 U8.P2 | length 2429.2
  TOP w5: v3(1253,1573) 1250,1573 1220.07,1602.93 1220.07,1628.24 1230.2,1638.37 1237.34,1638.37 1243.37,1644.4 1243.37,1655.46 1256.46,1668.55 U8.P2@1256.46,1676.46
  L4_SIG w4: v3(1253,1573) 1240,1560 1240,1180 1277.5,1142.5 1277.5,776.5 v2(1286,768)
  BOTTOM w5: v2(1286,768) 1435,619 1508.56,619 1672.56,455 1798,455 1808,465 1982.44,465 2022.44,505 2075,505 2080,510 2303.78,510 CN13.2@2509.84,303.94
ARD_D2: CN13.3 U8.P5 | length 2363.2
  TOP w5: U8.P5@1333.23,1676.46 1320.14,1663.37 1320.14,1636.13 1313,1628.99 1313,1570.22 1366.5,1516.72 1366.5,1455.5 1398,1424 1398,1165 1355,1122 1355,780 1345,770 v2(1345,769.75)
  BOTTOM w5: v2(1345,769.75) 1350,769.75 1462.75,657 1513,657 1685,485 1782,485 1792,495 1970,495 2010,535 2050,535 2090,575 2324,575 2495.06,403.94 CN13.3@2509.84,403.94
ARD_D3: CN13.4 U8.B2 | length 3746
  TOP w5: v3(1163.97,2074.74) 1165,2074.74 1165,2075 1182.56,2075 1195,2062.56 1195,2035 1195.5,2034.5 1195.5,2033.78 1218.37,2010.91 1218.37,2003.95 1225.69,1996.63 1236.37,1996.63 1249.46,1983.54 U8.B2@1256.46,1983.54
  BOTTOM w5: v3(1163.97,2074.74) 1163.33,2074.74 1144.07,2094 1079.62,2094 1028.62,2145 925,2145 885,2105 875,2105 774,2004 774,1726 895,1605 895,1480 905,1470 950,1470 960,1460 960,1445.88 1279,1126.88 1279,976 1365,890 1428.44,890 1472.94,845.5 2190.6,845.5 2202.16,833.94 2383.94,833.94 2500,950 2530,950 2580,900 2580,574.1 CN13.4@2509.84,503.94
ARD_D4: CN13.5 U8.G4 | length 3005.1
  TOP w5: U8.G4@1307.64,1855.59 v3(1320.37,1842.86)
  L4_SIG w4: v2(795,1390) 829,1424 1009,1424 1103,1518 1103,1604.98 1105,1606.98 1134.03,1636.03 1134.03,1659.19 1151,1676.16 1151,1696 1161.87,1706.87 1196.87,1706.87 1206.5,1716.5 1206.5,1734.5 1229,1757 1229,1782.61 1257.79,1811.4 1257.79,1823 1255,1825.79 1255,1848.21 1263.52,1856.73 1306.5,1856.73 v3(1320.37,1842.86)
  BOTTOM w5: v2(795,1390) 952.22,1390 1234,1108.22 1234,946 1360,820 1412,820 1446.5,785.5 2165.72,785.5 2251.22,700 2413.78,700 CN13.5@2509.84,603.94
ARD_D5: CN13.6 SB29.2 U8.R5 | length 4698.6
  TOP w5: U8.R5@1333.23,1650.87 1331,1648.64 1331,1573.44 1381.5,1522.94 1381.5,1462.28 1413,1430.78 1413,1153 1370,1110 1370,847 v2(1379,838)
  L4_SIG w4: v2(2485,2575) 2430,2520 2430,1840 2455,1815 2535,1815 2555,1795 2555,1510 2635,1430 2770,1430 2795,1405 2795,1191 2565,961 2565,730 2538.94,703.94 CN13.6@2509.84,703.94
  BOTTOM w5: v2(1379,838) 1415.22,838 1452.72,800.5 2171.94,800.5 2257.44,715 2498.78,715 CN13.6@2509.84,703.94 ; v2(2485,2575) 2540,2575 2615,2650 2695,2650 2714.17,2669.17 SB29.2@2714.17,2737.81
ARD_D6: CN13.7 U8.B3 | length 3656.8
  TOP w5: v3(1257,2060) 1256.5,2059.5 1256.5,2033.04 1269.55,2020 1269.55,2003.94 1282.05,1991.44 U8.B3@1282.05,1983.54
  BOTTOM w5: v3(1257,2060) 1241,2076 1241,2141.24 1188.5,2193.74 1188.5,2216.3 1169.8,2235 868,2235 848,2215 835.97,2215 763.47,2142.5 730.5,2142.5 717,2129 670.22,2129 627.5,2086.28 627.5,2002.5 740,1890 740,1710 860,1590 860,1430 885,1405 958.44,1405 1249,1114.44 1249,956 1345,860 1416,860 1460.5,815.5 2178.16,815.5 2189.72,803.94 CN13.7@2509.84,803.94
ARD_D7: CN13.8 U8.A1 | length 3252.4
  TOP w5: v3(1162,2098) 1180.78,2098 1210.5,2068.28 1210.5,2034.5 1230.87,2014.13 U8.A1@1230.87,2009.13
  BOTTOM w5: v3(1162,2098) 1151,2109 1085.84,2109 1034.84,2160 915,2160 875,2120 865,2120 759,2014 759,1715 880,1594 880,1445 900,1425 959.66,1425 1264,1120.66 1264,964.78 1353.78,875 1422.22,875 1466.72,830.5 2184.38,830.5 2195.94,818.94 2424.84,818.94 CN13.8@2509.84,903.94
ARD_D8: CN11.1 U8.B1 | length 3142.4
  TOP w5: v3(1162.06,2053.82) 1162.08,2054.14 1177.78,2038.44 1177.78,2030.49 1180.5,2027.77 1180.5,2027.56 1193.79,2014.27 1194,2014.27 1224.73,1983.54 U8.B1@1230.87,1983.54
  BOTTOM w5: v3(1162.06,2053.82) 1162.08,2053.97 1157.43,2058.62 1093.78,2058.62 1024.9,2127.5 932.5,2127.5 895,2090 885,2090 789,1994 789,1736 915,1610 915,1570 940,1545 1010,1545 1015,1540 1015,1510 1105,1420 1105,1343.32 1316,1132.32 1316,992 1355,953 1462.5,953 1510,905.5 2155.5,905.5 2175,925 2411.34,925 2470,983.66 2470,1024.1 CN11.1@2509.84,1063.94
ARD_D9: CN11.2 U8.M11 | length 1632.1
  TOP w5: U8.M11@1486.77,1727.64 v3(1499.5,1740.37)
  L4_SIG w4: v3(1499.5,1740.37) 1499.5,1785.63 1519.42,1805.55 1531.02,1805.55 1539.22,1797.35 1539.33,1797.35 1576.68,1760 1640,1760 1667.18,1732.82 1784.85,1732.82 v2(1792.99,1740.96)
  BOTTOM w5: v2(1792.99,1740.96) 1812.03,1760 2033.22,1760 2198.22,1595 2355,1595 2380.61,1569.39 2415.61,1569.39 2440,1545 2440,1350 2475,1315 2540,1315 2560,1295 2560,1214.1 CN11.2@2509.84,1163.94
ARD_D10: CN11.3 U8.N2 | length 2407.9
  TOP w5: v3(1166,1689) 1182.49,1672.51 1197.26,1672.51 1199.75,1675 1200,1675 1213.96,1688.96 1243.37,1688.96 U8.N2@1256.46,1702.05
  BOTTOM w5: v3(1166,1689) 1160,1689 1096,1625 1096,1530 1125,1501 1125,1344.54 1334,1135.54 1334,1002 1368,968 1471.78,968 1518.78,921 1519,921 1519.5,920.5 2145.5,920.5 2165,940 2405.12,940 2455,989.88 2455,1209.1 CN11.3@2509.84,1263.94
ARD_D11: CN11.4 U8.A6 | length 1943.7
  TOP w5: U8.A6@1358.82,2009.13 1358.82,2026.87 1365.73,2033.78 1365.73,2045.73 v3(1394,2074)
  L4_SIG w4: v2(1845,2270) 1882,2233 1882,2128 1946,2064 1946,1827.02 2140.02,1633 2346.39,1633 2435,1544.39 2435,1405 2476.06,1363.94 CN11.4@2509.84,1363.94
  BOTTOM w5: v3(1394,2074) 1403,2083 1444.93,2083 1465,2103.07 1465,2120 1525,2180 1723.78,2180 1813.78,2270 v2(1845,2270)
ARD_D12: CN11.5 U8.A9 | length 1467.3
  TOP w4: v3(1433,2027.41) 1435.59,2024.82 U8.A9@1435.59,2009.13
  BOTTOM w5: v3(1433,2027.41) 1448.41,2012 1503,2012 1515,2000 1572.98,2000 1589.48,1983.5 1981.5,1983.5 2282,1683 2342,1683 2410,1615 2530,1615 2555,1590 2555,1509.1 CN11.5@2509.84,1463.94
ARD_D13: CN11.6 SB14.2 U8.P4 | length 2415.8
  TOP w5: v3(1294.9,1663.6) 1295.5,1664.2 1295.5,1664.32 U8.P4@1307.64,1676.46 ; v2(2355.13,1570) 2360.96,1564.17 SB14.2@2413.81,1564.17 2509.61,1564.17 CN11.6@2509.84,1563.94
  L4_SIG w4: v3(1294.9,1663.6) 1303,1655.5 1303,1612 1341,1574 1341,1400 1396,1345 1396,1011 v2(1390,1005)
  BOTTOM w5: v2(1390,1005) 1412,983 1478,983 1525,936 2136,936 2250,1050 2250,1530 2290,1570 v2(2355.13,1570)
ARD_D14: CN11.9 R59.1 SB27.1 SB36.1 U8.J4 | length 7754.5
  TOP w4: U8.J4@1307.64,1804.41 1320.05,1816.82 1320.05,1816.99 v3(1321.12,1818.06)
  TOP w5: R59.1@995,1550 995,1522.37 v2(995.13,1522.37)
  L4_SIG w4: v2(700,375) 745,330 969,330 1045,406 1789,406 1866,329 1988,329 2019,360 2540,360 2580,400 2580,951 2811,1182 2811,1409 2775,1445 2650,1445 2570,1525 2570,1803.78 CN11.9@2509.84,1863.94 ; v2(700,1305) 750,1355 750,1390 855,1495 946.8,1495 974.17,1522.37 v2(995.13,1522.37) 1002.37,1522.37 1020,1540 1060,1540 1078,1558 1078,1613.96 1110.03,1645.99 1110.03,1669.15 1127,1686.12 1127,1709.29 1157.71,1740 1199.59,1740 1219,1759.41 1219,1815 1245,1841 1245,1850.32 1259.68,1865 1320,1865 1335,1850 1335,1836 1321.12,1822.12 v3(1321.12,1818.06)
  BOTTOM w5: v2(700,1305) 670,1275 670,405 v2(700,375) 700,355 SB36.1@710,345 ; CN11.9@2509.84,1863.94 2470,1863.94 2460,1873.94 2460,1995 2475,2010 2730,2010 2970,2250 2970,2775 2930,2815 2765,2815 2675,2905 2675,3128.34 SB27.1@2711.99,3165.33
ARD_D15: CN11.10 R60.1 SB25.1 SB38.1 U8.H4 | length 7594.4
  TOP w4: v3(1294.78,1817.14) U8.H4@1307.64,1830
  TOP w5: R60.1@1110,1605 1122,1605 1128,1611 1128,1630 1149.03,1651.03 v3(1149.03,1652.97)
  L4_SIG w4: v2(715.53,230) 760,230 845,315 978,315 1054,391 1765.7,391 1782.28,391.01 1784,391 1858,317 1879.48,317 1880.48,316 1993,316 2022,345 2545,345 2595,395 2595,936 2825,1166 2825,1415 2780,1460 2665,1460 2585,1540 2585,1905 2526.06,1963.94 CN11.10@2509.84,1963.94 ; v2(755,1280) 755,1315 850,1410 1020,1410 1115,1505 1115,1600 1149.03,1634.03 v3(1149.03,1652.97) 1151.06,1655 1175,1655 1214.5,1694.5 1214.5,1728.5 1237,1751 1237,1779.29 1265.71,1808 1285.64,1808 v3(1294.78,1817.14)
  BOTTOM w5: SB38.1@715.53,197.87 v2(715.53,230) 730.53,245 770,245 820,295 820,335 715,440 715,1240 v2(755,1280) ; CN11.10@2509.84,1963.94 2533.9,1988 2738,1988 2985,2235 2985,2850 2940,2895 2725,2895 2715,2905 2715,2920 2706.99,2928.01 SB25.1@2706.99,2935.33
BLGND: C67.2 C69.1 C70.1 C72.1 C73.1 C75.1 C76.1 L5.2 R66.1 R67.1 R69.1 U12.3 U12.9 | length 495.1
  TOP w15: U12.3@888.2,803.07 v1(888.2,836.8)
  TOP w20: R66.1@850,925 v1(850,960) ; R67.1@905,910 v1(905,945) ; C76.1@940,405 v1(980,405) ; C75.1@953,480 975,480 v1(1000,505) ; C69.1@1080,1065 v1(1115,1065) ; C67.2@1080,1135 v1(1125,1135) ; C70.1@1081,1015 v1(1115,1015) ; C73.1@1088,890 v1(1128,890) ; R69.1@1090,625 v1(1150,625) ; C72.1@1095,965 v1(1130,965) ; L5.2@1165,890 v1(1165,935)
  other v2: 875,725 930,725 900,745 875,765 930,765
BOOT0: R36.2 R43.2 U8.D6 | length 358.9
  TOP w4: v3(1345.96,1945.22) U8.D6@1358.82,1932.36
  TOP w5: v3(1258,2096) 1258,2118 R43.2@1265,2125 1242.5,2147.5 1242.5,2212.5 R36.2@1260,2230
  BOTTOM w5: v3(1258,2096) 1274.5,2079.5 1274.5,2056.08 1293.81,2036.77 1293.81,2021.19 1335,1980 1335,1956.18 v3(1345.96,1945.22)
BYPASSREG: R61.2 U8.L4 | length 360.5
  TOP w5: R61.2@1110,1560 v2(1136,1586) ; U8.L4@1307.64,1753.23 1307.64,1753.35 1319.42,1765.13 v3(1321.16,1765.13)
  L4_SIG w4: v2(1136,1586) 1138,1588 1138,1606.02 1164.03,1632.05 1172.05,1632.05 1222.5,1682.5 1222.5,1725.18 1259.77,1762.45 1278.62,1762.45 1291.07,1750 1305,1750 1320.13,1765.13 v3(1321.16,1765.13)
CTP_INT: CN16.2 R21.2 U8.D3 | length 1834
  TOP w4: v3(1243.68,1919.68) 1269.36,1919.68 U8.D3@1282.04,1932.36
  L4_SIG w4: v2(817.84,3055.76) 844.64,3028.96 926.04,3028.96 1010,2945 1010,2465 1030,2445 1030,2390 975,2335 975,2150 935,2110 v2(935,2104.38)
  BOTTOM w5: v2(817.84,3055.76) 802.84,3055.76 762.84,3095.76 R21.2@762.84,3170.76 845,3170.76 851.85,3163.91 CN16.2@875.57,3163.91 ; v2(935,2104.38) 935,2075.78 1020.28,1990.5 1050.5,1990.5 1065.5,1975.5 1146.5,1975.5 1202.32,1919.68 v3(1243.68,1919.68)
CTP_RST: CN16.7 R18.2 U8.M13 | length 2144.3
  TOP w5: U8.M13@1537.95,1727.64 v3(1550.81,1714.78)
  L4_SIG w4: v2(950.04,3127.21) 978.84,3098.41 978.84,3006.16 1025,2960 1025,2480 1067,2438 1067,2274.98 1030,2237.98 1030,2167 986,2123 v2(986,2106)
  BOTTOM w5: v2(950.04,3127.21) 955.24,3132.41 CN16.7@979.91,3132.41 1002.59,3132.41 1008.96,3126.04 1008.96,3070.12 978.84,3040 978.84,3011.76 R18.2@966.84,2999.76 ; v2(986,2106) 986,2089.86 1022.88,2052.98 1050.02,2052.98 1097.5,2005.5 1164.28,2005.5 1177.78,1992 1233,1992 1252.73,1972.27 1252.73,1950 1299,1903.73 1299,1895.49 1319.49,1875 1340,1875 1361.05,1853.95 1486.05,1853.95 1541,1799 1541,1762 1548,1755 1556,1755 1556.13,1754.87 1556.82,1754.87 1565.31,1746.38 1565.31,1745.69 1566,1745 1566,1735 1550.81,1719.81 v3(1550.81,1714.78)
CTP_SCL: CN16.5 R52.2 U8.F15 | length 3060.2
  TOP w5: U8.F15@1589.13,1881.18 1625.77,1881.18 1646.95,1860 1806,1860 1816,1850 1816,1839 R52.2@1825,1830 1855,1860 1995,1860 v2(2020,1835)
  L4_SIG w4: v2(816.57,3091.76) 893.81,3169 1441,3169 1460,3150 1515,3150 1631,3034 1681,3034 1777,2938 2057,2938 2085,2910 2085,2837 2033,2785 2033,1848 v2(2020,1835)
  BOTTOM w5: v2(816.57,3091.76) 824.81,3100 850,3100 866.66,3116.66 CN16.5@875.57,3116.66
CTP_SDA: CN16.4 R56.1 U8.M12 | length 3415
  TOP w5: U8.M12@1512.36,1727.64 v3(1525.22,1714.78) ; v2(1800,1625) 1800,1630 R56.1@1825,1655 1860,1690 1925,1690 2045,1810 v2(2070,1810)
  L4_SIG w4: v2(780.84,3110.76) 875.08,3205 1500,3205 1644,3061 1704,3061 1775,2990 2045,2990 2115,2920 2115,2820 2060,2765 2060,1820 v2(2070,1810) ; v3(1525.22,1714.78) 1526.22,1714.78 1544,1697 1573.01,1697 1600.7,1669.3 1631.02,1669.3 1632.98,1671.26 1652.61,1671.26 1680.88,1642.99 1690.82,1642.99 ; 1690.83,1643 1785,1643 1800,1628 v2(1800,1625)
  BOTTOM w5: v2(780.84,3110.76) 792.54,3122.46 845.05,3122.46 855,3132.41 CN16.4@875.57,3132.41
DMIC_VDD: C79.1 C80.1 C84.1 C85.1 R85.2 R86.2 SB1.2 SB5.2 U16.1 U17.1 U18.1 U19.1 | length 2901.9
  TOP w20: SB1.2@226.19,2590.83 235.36,2600 287.02,2600 SB5.2@296.19,2590.83 300,2594.64 300,2720 362,2782 v2(362,2805) 338,2829 v2(338,3315) v2(290,3315) ; v2(862.61,3330.28) 862.89,3330 v2(910,3330)
  L4_SIG w20: v2(338,3315) 419,3396 796.89,3396 v2(862.61,3330.28) ; v2(362,2805) 605,2805 675,2735 v2(850,2735)
  BOTTOM w5: U19.1@235.03,2808.07 244.32,2808.07 274.39,2778 281.39,2778 ; U17.1@235.03,3392.68 244.32,3392.68 276,3361 285,3361 ; U18.1@819.64,2808.07 828.93,2808.07 859,2778 866,2778 ; U16.1@819.64,3392.68 828.93,3392.68 856.61,3365
  BOTTOM w20: R86.2@230,3325 280,3325 v2(290,3315) ; 281.39,2778 299,2778 325,2804 C85.1@325,2805 v2(362,2805) ; 285,3361 296,3361 C80.1@325,3390 338,3377 v2(338,3315) ; R85.2@813.74,3325 857.33,3325 v2(862.61,3330.28) ; v2(850,2735) 885,2735 908.74,2758.74 C84.1@908.74,2805 881.74,2778 866,2778 ; 856.61,3365 883.74,3365 C79.1@908.74,3390 915,3383.74 915,3335 v2(910,3330)
DMICCLK: U7.C6 U16.3 U17.3 U18.3 U19.3 | length 2933.4
  TOP w5: v4(569.17,2353.39) U7.C6@575.47,2359.69
  L4_SIG w4: v2(694.61,2874.39) 327.39,2874.39 308,2855 196,2855 v2(149,2902) v2(149,3480) 164,3495 340.51,3495 395.51,3440 695.39,3440 v2(719,3463.61)
  BOTTOM w5: v2(149,3480) 149,3449 171.86,3426.14 U17.3@181.89,3426.14 ; U19.3@181.89,2841.53 171.86,2841.53 149,2864.39 v2(149,2902) 105,2902 86,2883 86,2739 425.5,2399.5 452.5,2399.5 490,2362 529,2362 535,2368 554.56,2368 v4(569.17,2353.39) ; v2(694.61,2874.39) 723.61,2874.39 756.47,2841.53 U18.3@766.5,2841.53 ; v2(719,3463.61) 756.47,3426.14 U16.3@766.5,3426.14
DMICDAT1: U7.B9 U17.4 U18.4 | length 2153
  TOP w5: U7.B9@555.79,2418.74 555.79,2443.43 v4(557,2444.64)
  BOTTOM w5: U17.4@235.03,3426.14 245.14,3426.14 275,3456 v2(275,3478) 291,3494 373,3494 422,3445 422,3064 557,2929 822.61,2929 v2(856.61,2895) ; v4(557,2444.64) 605,2492.64 605,2665 618,2678 944,2678 988,2722 988,2838.25 956.25,2870 895.25,2870 870.25,2895 v2(856.61,2895) ; U18.4@819.64,2841.53 829.75,2841.53 856.61,2868.39 v2(856.61,2895)
DMICDAT2: U7.A9 U16.4 U19.4 | length 1919.7
  TOP w5: v4(531.25,2438.58) 536.1,2433.73 U7.A9@536.1,2418.74
  L4_SIG w4: v2(292.5,2888.89) 253,2928.39 253,3327 348,3422 809,3422 v2(865,3478)
  BOTTOM w5: U19.4@235.03,2841.53 245.14,2841.53 v2(292.5,2888.89) 405.11,2888.89 498,2796 498,2471.83 v4(531.25,2438.58) ; U16.4@819.64,3426.14 829.75,3426.14 865,3461.39 v2(865,3478)
E5V: C68.2 CN3.1 CN8.5 D4.1 R58.2 U11.2 U11.4 | length 7889.7
  TOP w20: 73.78,1345 C68.2@106.8,1345 ; 106.8,1375.52 C68.2@106.8,1345 ; 139.82,1345 C68.2@106.8,1345 ; 211.98,1439.02 U11.4@285,1439.02 ; 285,1395.5 U11.4@285,1439.02 ; 285,1482.54 U11.4@285,1439.02 ; 358.02,1439.02 U11.4@285,1439.02 ; R58.2@760,1605 v2(794,1605) ; 2714.27,1530 D4.1@2738.29,1530 ; 2738.29,1505.98 D4.1@2738.29,1530 ; 2738.29,1554.02 D4.1@2738.29,1530 ; 2762.31,1530 D4.1@2738.29,1530
  TOP w40: U11.2@285,1190.98 285,1300
  L4_SIG w20: 89,1354 469,1354 573.94,1458.94 683.94,1458.94 794,1569 v2(794,1605)
  L4_SIG w40: 69,1436 69,1458 110,1499 202,1499 305,1602 305,1780 520,1995 705,1995 805,2095 805,2350 905,2450 905,2896.73 735.54,3066.19 735.54,3193.49 832.05,3290 930,3290 1059,3419 1448.67,3419 1667.67,3200 1915,3200 1967.5,3147.5 1967.5,3107.5 2000,3075 2300,3075 ; CN3.1@2647.2,3429.41 2564.41,3429.41 2500,3365 2500,3170 2405,3075 2300,3075 ; 2680,1580 2645,1615 2645,2485 2490,2640 2370,2640 2300,2710 2300,3075
  other v2: 54,1349 54,1374 53.25,1400.38 80.19,1399.78 2740,1580 2715,1581

## Text inside footprints (layer, text, board x,y; h text height)
U18: LIB_UNEVALUATED "OK" at 765.07,2824.8 h35 r270; LIB_UNEVALUATED "Remark: D031-006A1" at 936.76,2683.38 h25 r270; LIB_UNEVALUATED "Rev   : A1" at 976.76,2683.38 h25 r270; LIB_UNEVALUATED "Date  : 2012-07-31" at 1016.76,2683.38 h25 r270; LIB_UNEVALUATED "Creat : Yuki" at 1056.76,2683.38 h25 r270; LIB_UNEVALUATED "Ref PN: MP34DT01TR" at 1096.76,2683.38 h25 r270; LIB_UNEVALUATED "Sofer Lib Information" at 1146.76,2653.38 h25 r270; LIB_UNEVALUATED "MP34DT01TR" at 523.05,2845.51 h30 r270; LIB_UNEVALUATED "5" at 717.67,2823.8 h16 r270; LIB_UNEVALUATED "2" at 748.56,2813.37 h16 r270; LIB_UNEVALUATED "4" at 801.71,2846.84 h16 r270; LIB_UNEVALUATED "3" at 748.56,2846.84 h16 r270; LIB_UNEVALUATED "1" at 801.71,2813.37 h16 r270; ASSEMBLY_BOTTOM "MP34DT01" at 552.49,2850.94 h30 r270
U19: LIB_UNEVALUATED "1" at 217.1,2813.37 h16 r270; LIB_UNEVALUATED "3" at 163.95,2846.84 h16 r270; LIB_UNEVALUATED "4" at 217.1,2846.84 h16 r270; LIB_UNEVALUATED "2" at 163.95,2813.37 h16 r270; LIB_UNEVALUATED "5" at 133.06,2823.8 h16 r270; LIB_UNEVALUATED "MP34DT01TR" at -61.56,2845.51 h30 r270; LIB_UNEVALUATED "Sofer Lib Information" at 562.15,2653.38 h25 r270; LIB_UNEVALUATED "Ref PN: MP34DT01TR" at 512.15,2683.38 h25 r270; LIB_UNEVALUATED "Creat : Yuki" at 472.15,2683.38 h25 r270; LIB_UNEVALUATED "Date  : 2012-07-31" at 432.15,2683.38 h25 r270; LIB_UNEVALUATED "Rev   : A1" at 392.15,2683.38 h25 r270; LIB_UNEVALUATED "Remark: D031-006A1" at 352.15,2683.38 h25 r270; LIB_UNEVALUATED "OK" at 180.46,2824.8 h35 r270; ASSEMBLY_BOTTOM "MP34DT01" at -32.12,2850.94 h30 r270
U20: LIB_UNEVALUATED "1.7" at 1593,2518 h16 r180; LIB_UNEVALUATED "2.5" at 1678,2413 h16 r180; LIB_UNEVALUATED "0.4" at 1683,2448 h16 r180; LIB_UNEVALUATED "NO" at 1637,2515 h35 r180; LIB_UNEVALUATED "QFN16_0R4_2R5X1R7" at 1451,2680 h30 r180; LIB_UNEVALUATED "Remark: D031-022A2" at 1816,2373 h25 r180; LIB_UNEVALUATED "Rev   : A1" at 1816,2333 h25 r180; LIB_UNEVALUATED "Date  : 2016-08-02" at 1816,2293 h25 r180; LIB_UNEVALUATED "Creat : Yuki" at 1816,2253 h25 r180; LIB_UNEVALUATED "Ref PN: STG3692QTR" at 1816,2213 h25 r180; LIB_UNEVALUATED "Sofer Lib Information" at 1846,2163 h25 r180; LIB_UNEVALUATED "11" at 1665.41,2474.71 h16 r180; LIB_UNEVALUATED "5" at 1612.56,2533.96 h16 r180; LIB_UNEVALUATED "16" at 1708.9,2533.96 h16 r180; LIB_UNEVALUATED "13" at 1708.9,2486.71 h16 r180; LIB_UNEVALUATED "8" at 1612.56,2486.71 h16 r180; LIB_UNEVALUATED "2" at 1671.81,2545.96 h16 r180; LIB_UNEVALUATED "6" at 1612.56,2518.21 h16 r180; LIB_UNEVALUATED "1" at 1687.56,2545.96 h16 r180; LIB_UNEVALUATED "9" at 1640.31,2474.71 h16 r180; LIB_UNEVALUATED "14" at 1708.9,2502.46 h16 r180; LIB_UNEVALUATED "7" at 1612.56,2502.46 h16 r180; LIB_UNEVALUATED "12" at 1681.16,2474.71 h16 r180; LIB_UNEVALUATED "4" at 1640.31,2545.96 h16 r180; LIB_UNEVALUATED "15" at 1708.9,2518.21 h16 r180; LIB_UNEVALUATED "17" at 1634.4,2510 h16 r180; LIB_UNEVALUATED "3" at 1656.06,2545.96 h16 r180; LIB_UNEVALUATED "10" at 1649.66,2474.71 h16 r180